# Altium PCB Bms_Master_RevA.PcbDoc
Units mm, origin at the board's own origin, x right, y up, seen from the top; angles counter-clockwise.
Board outline 49 x 55 mm, 4 copper layers (Top Layer, GND, PWR+SIG, Bottom Layer), stack 1.569 mm thick; 76 components, 55 nets, 269 pads, 269 vias.
Unrouted connection lines stored in the file: 2.
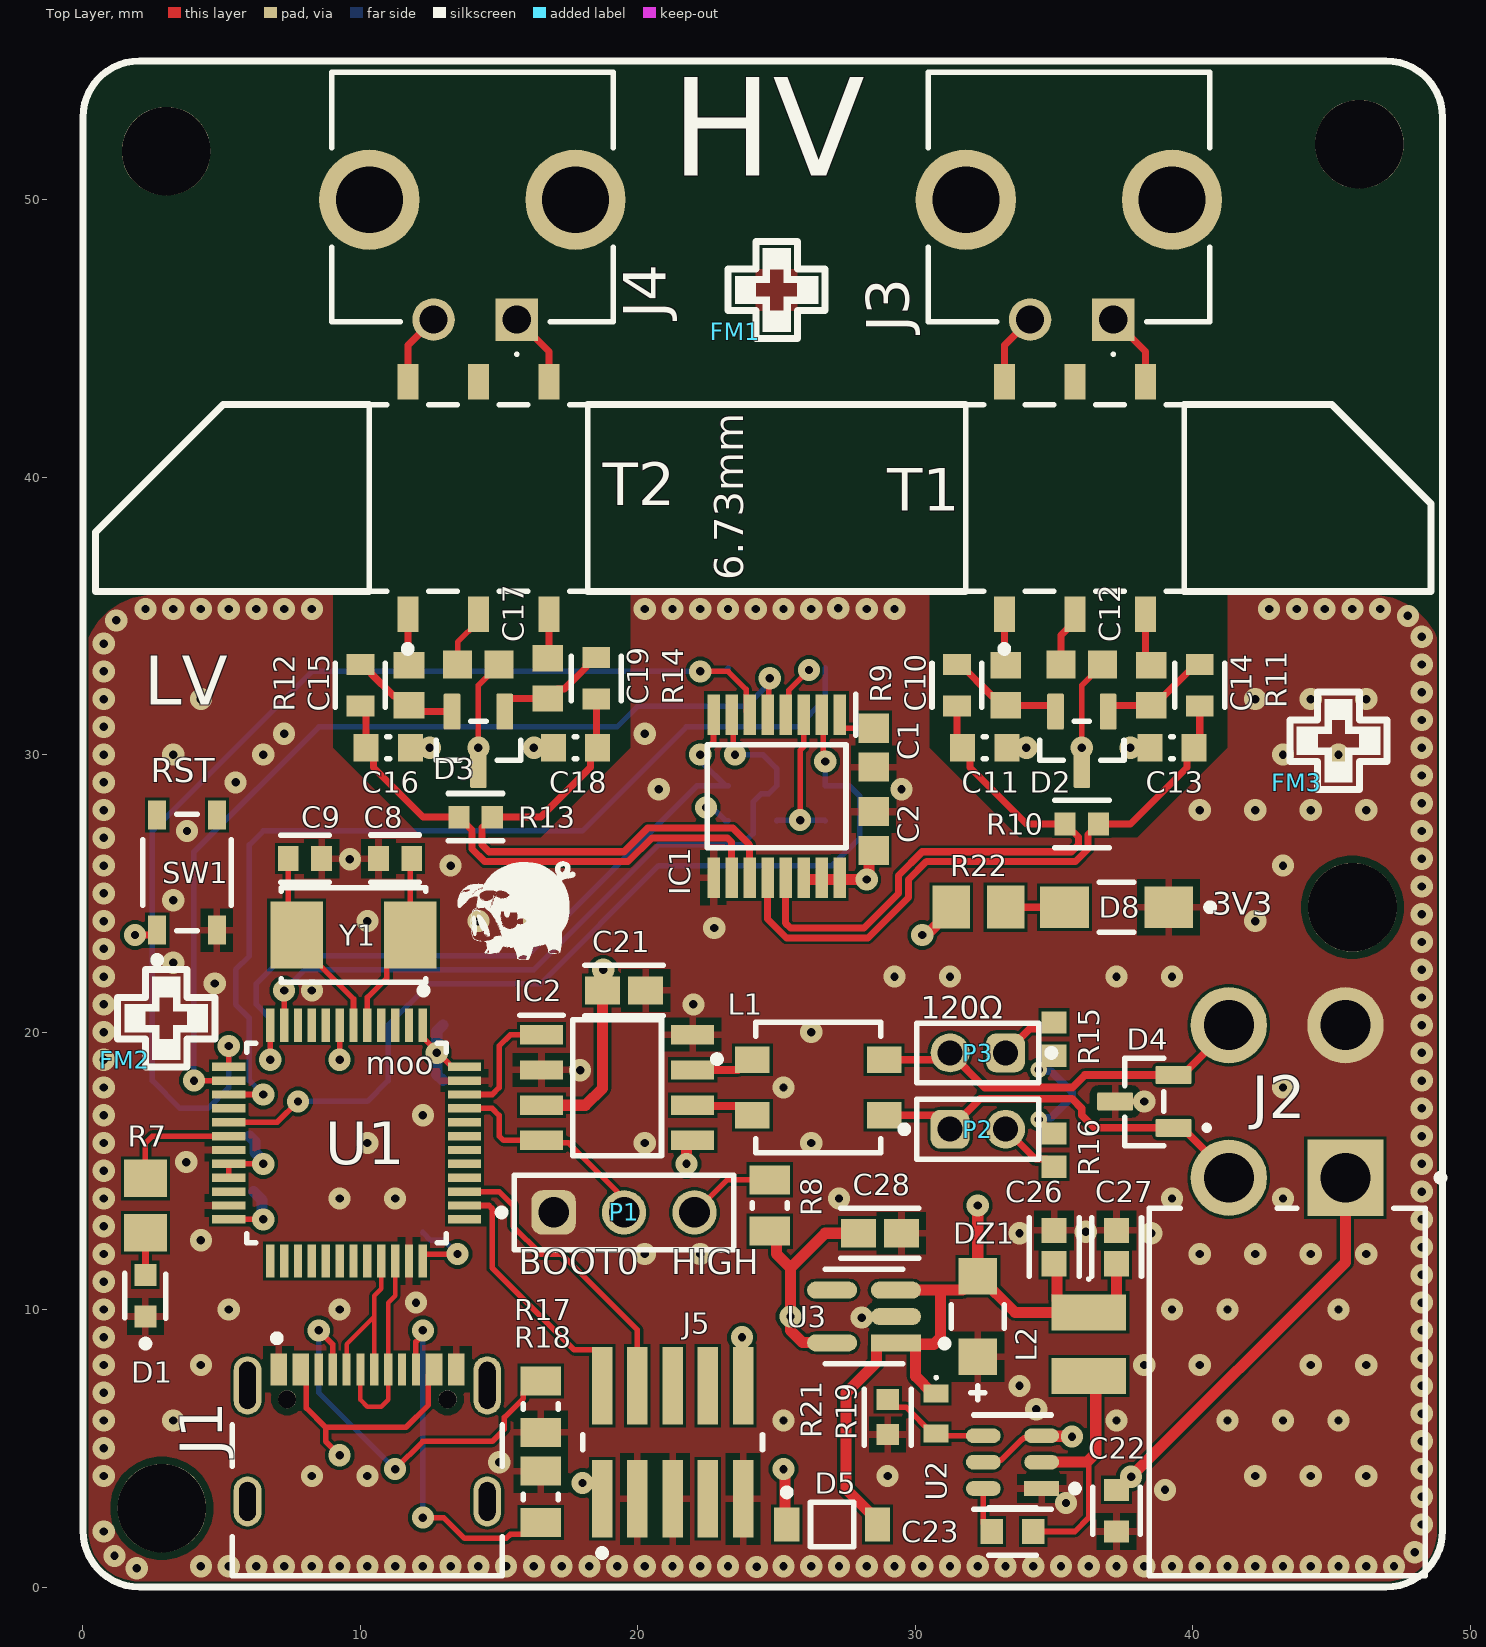
[diagram p0: Top Layer view]
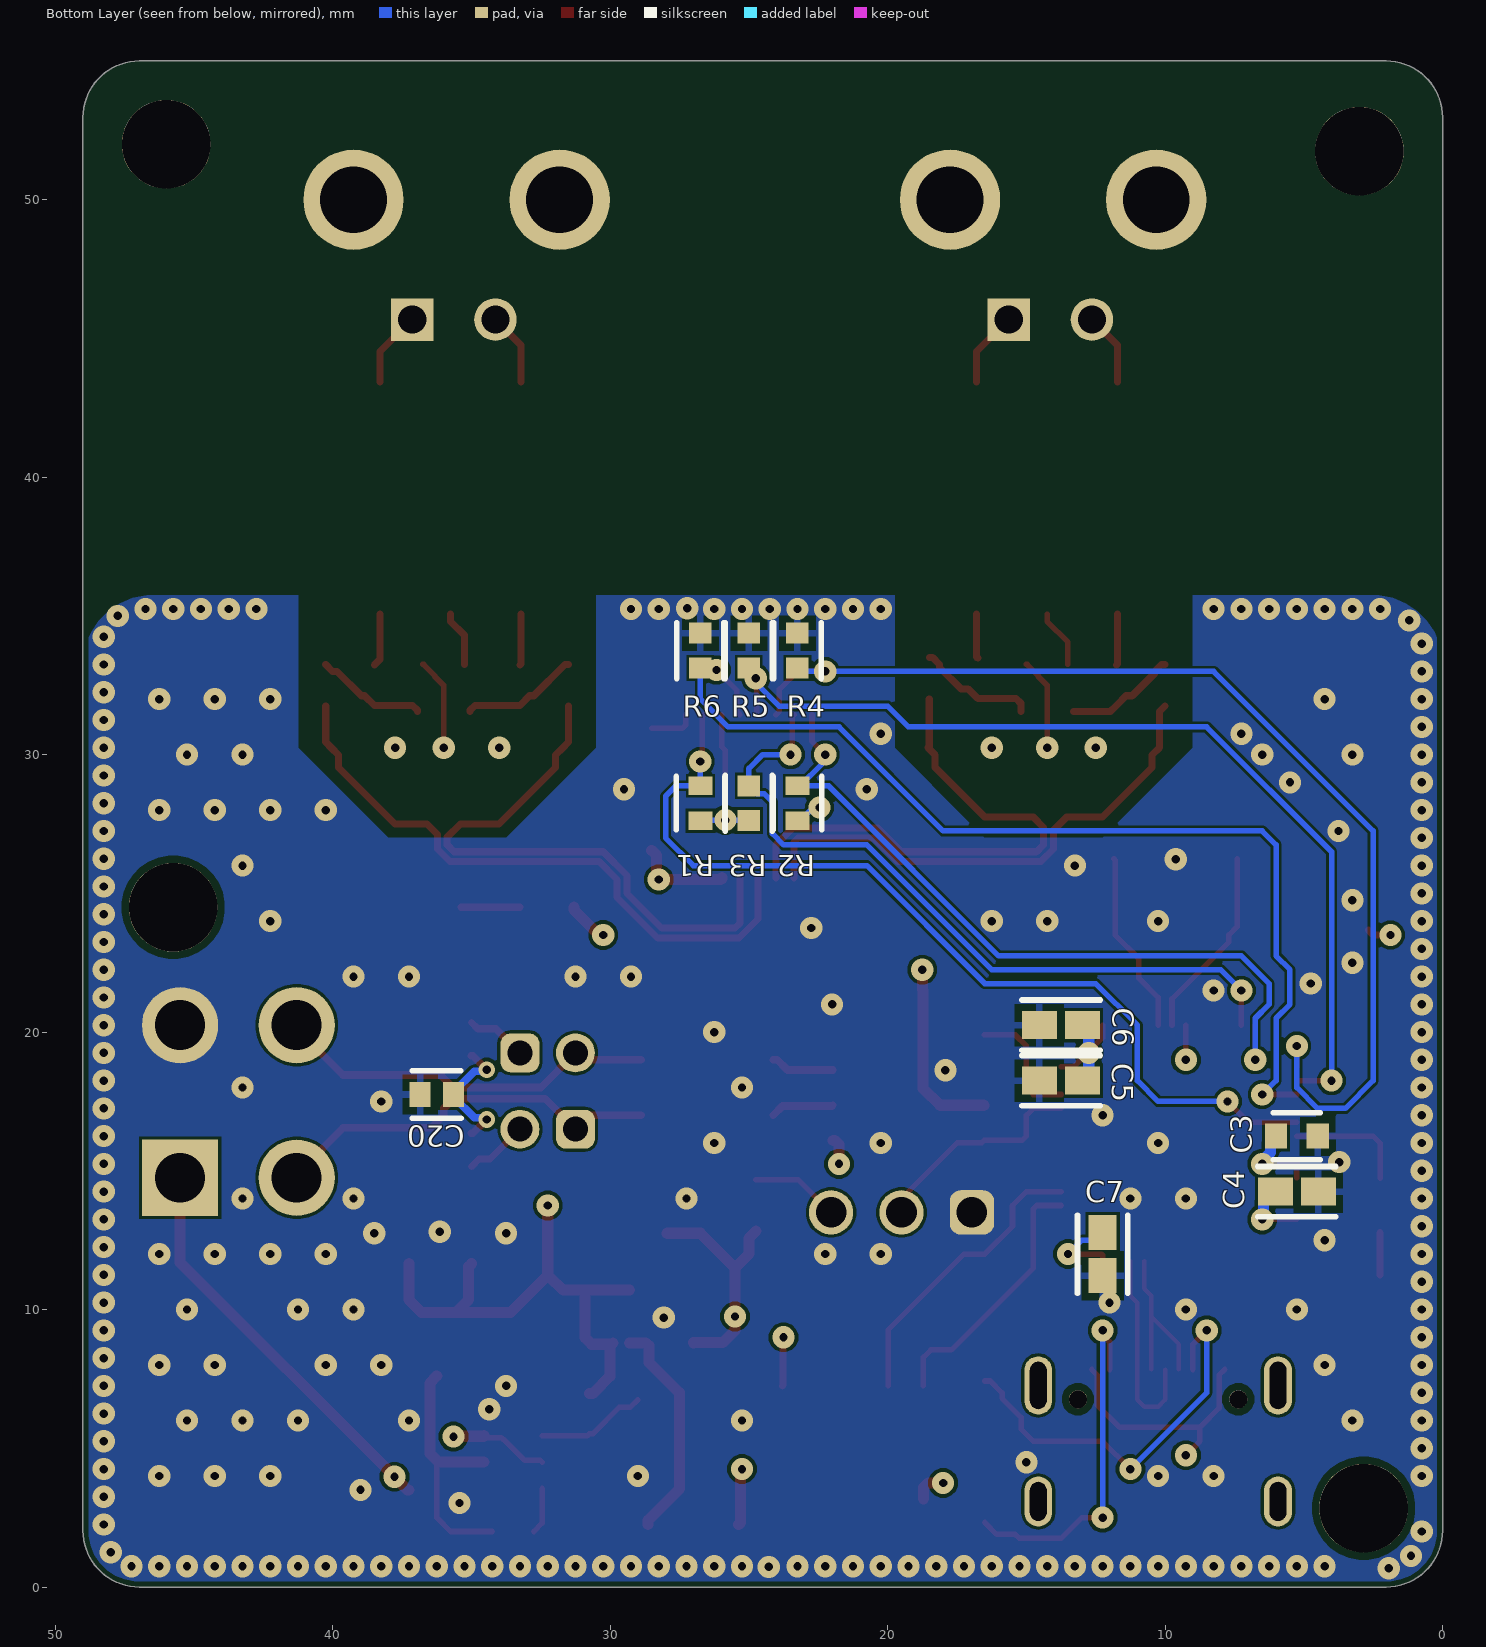
[diagram p1: Bottom Layer view, seen from below]
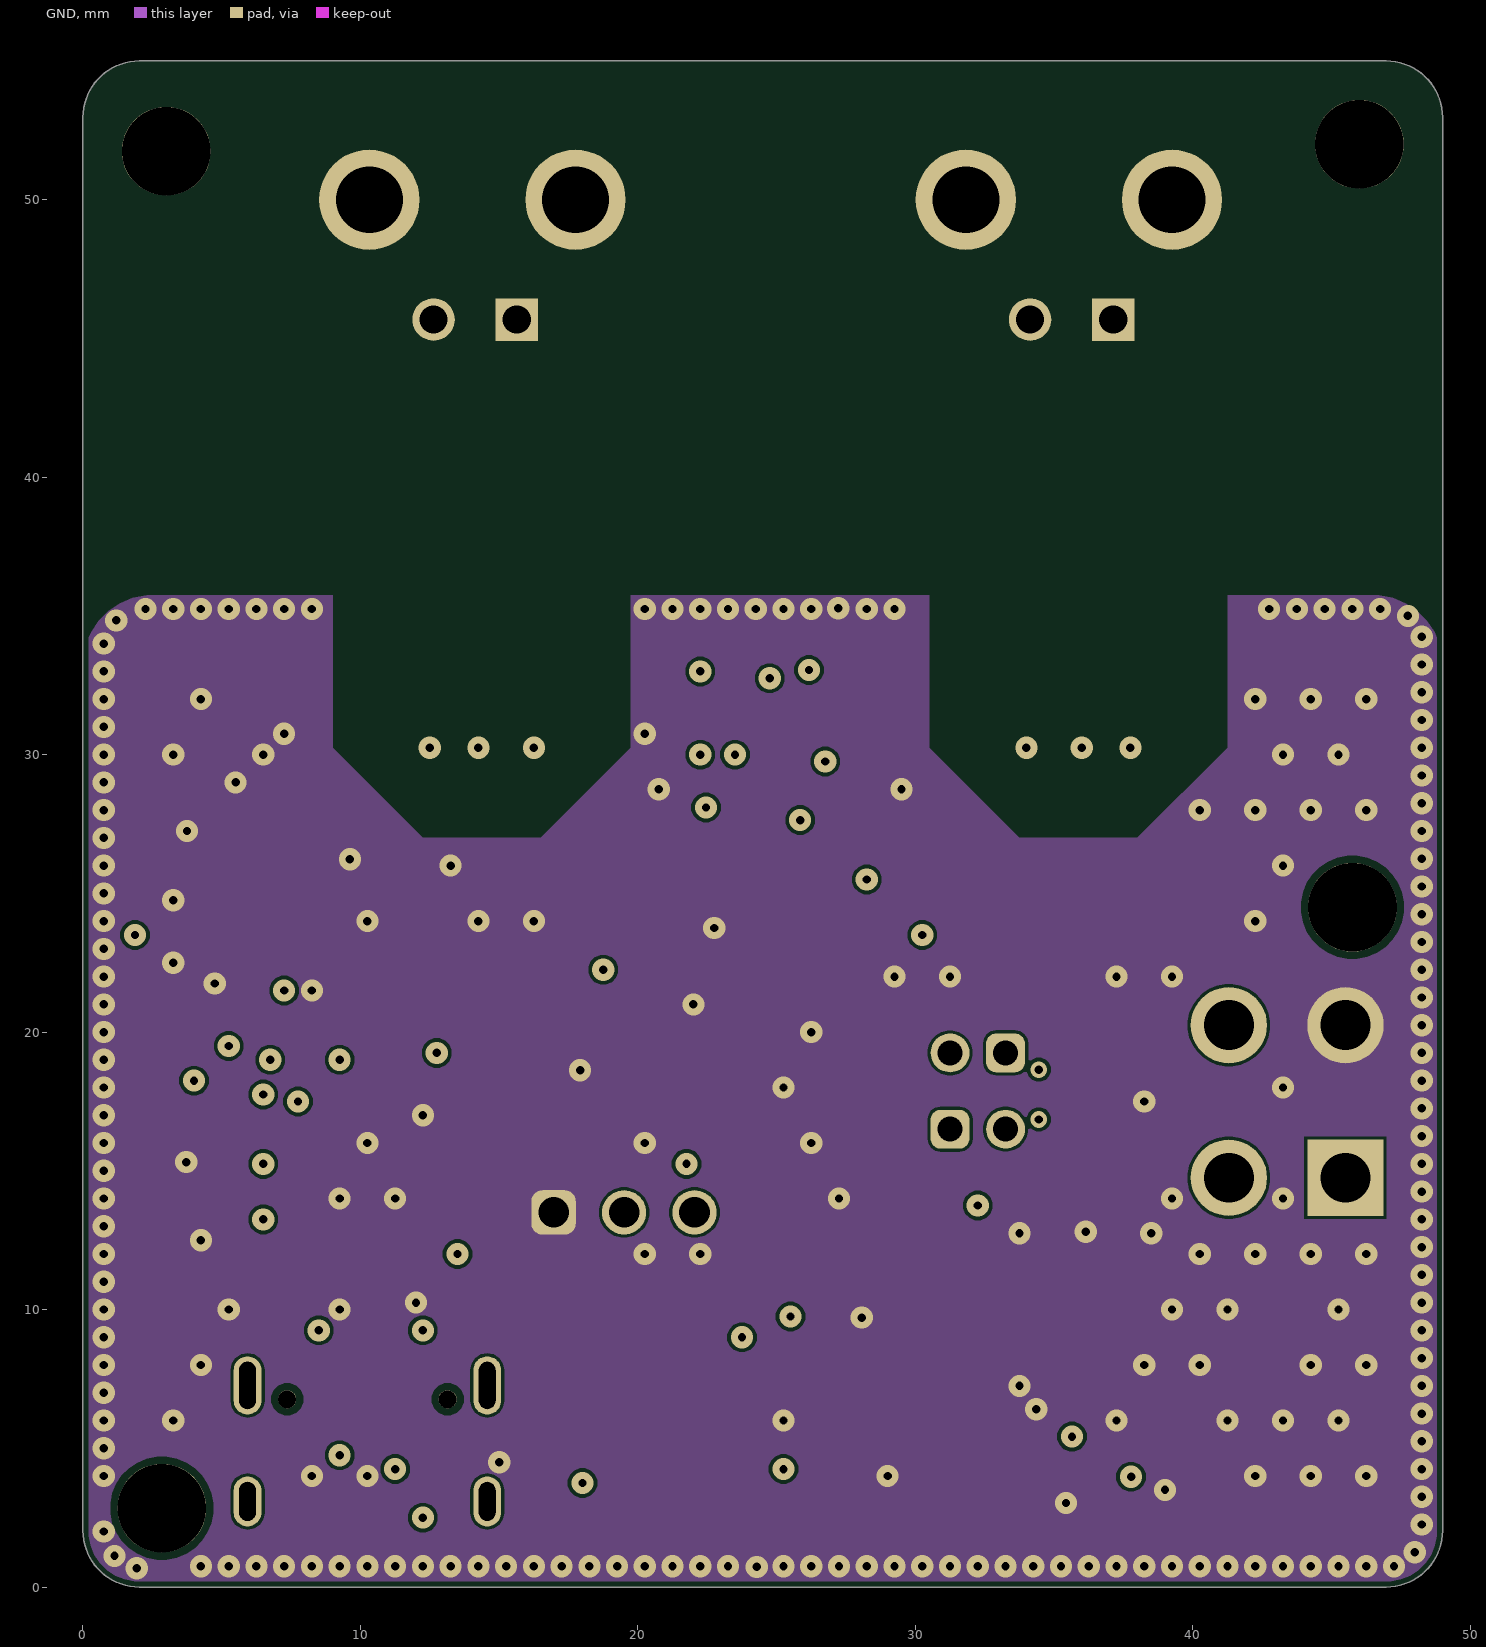
[diagram p2: GND]
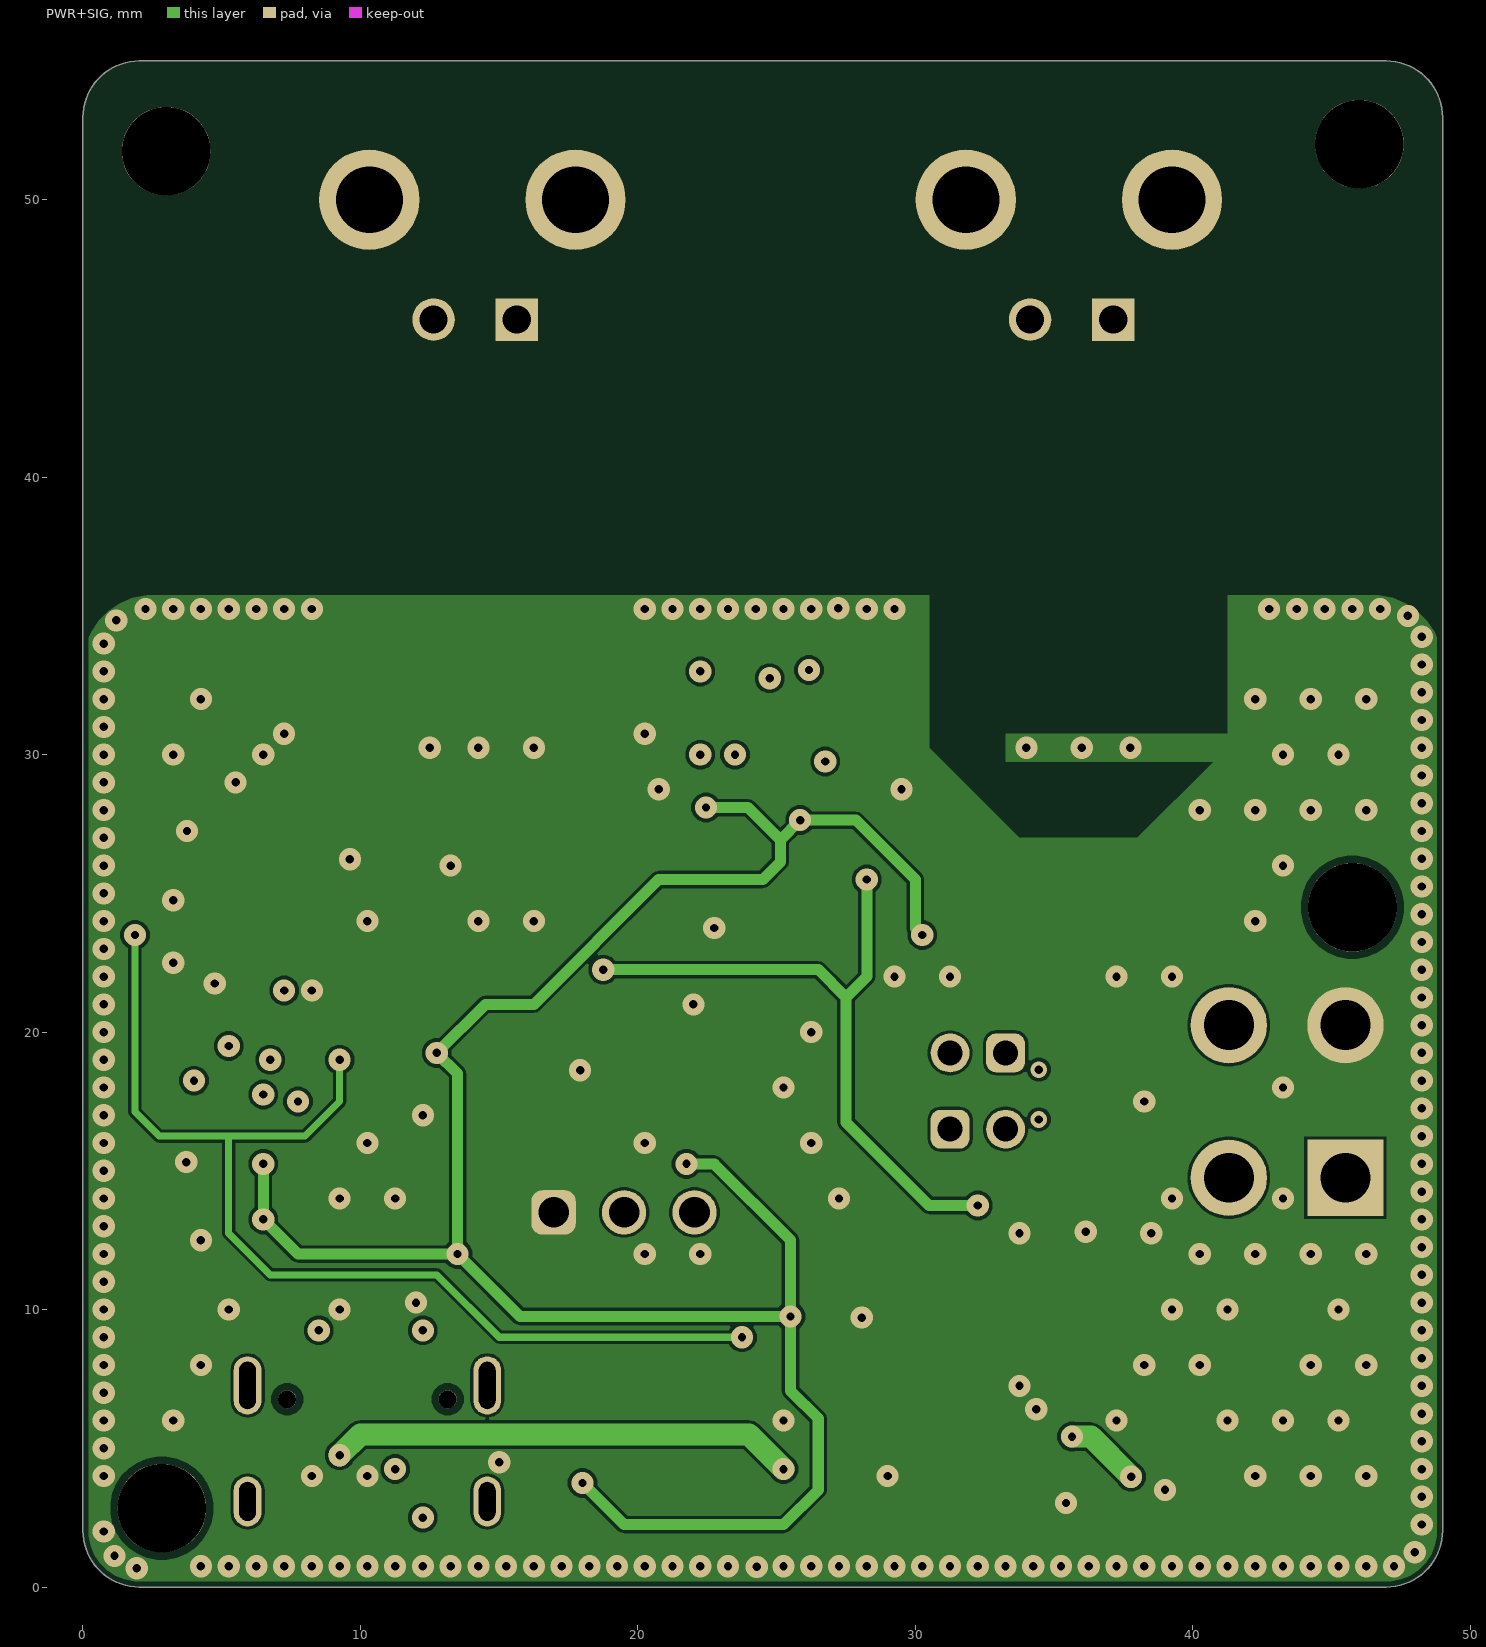
[diagram p3: PWR+SIG]
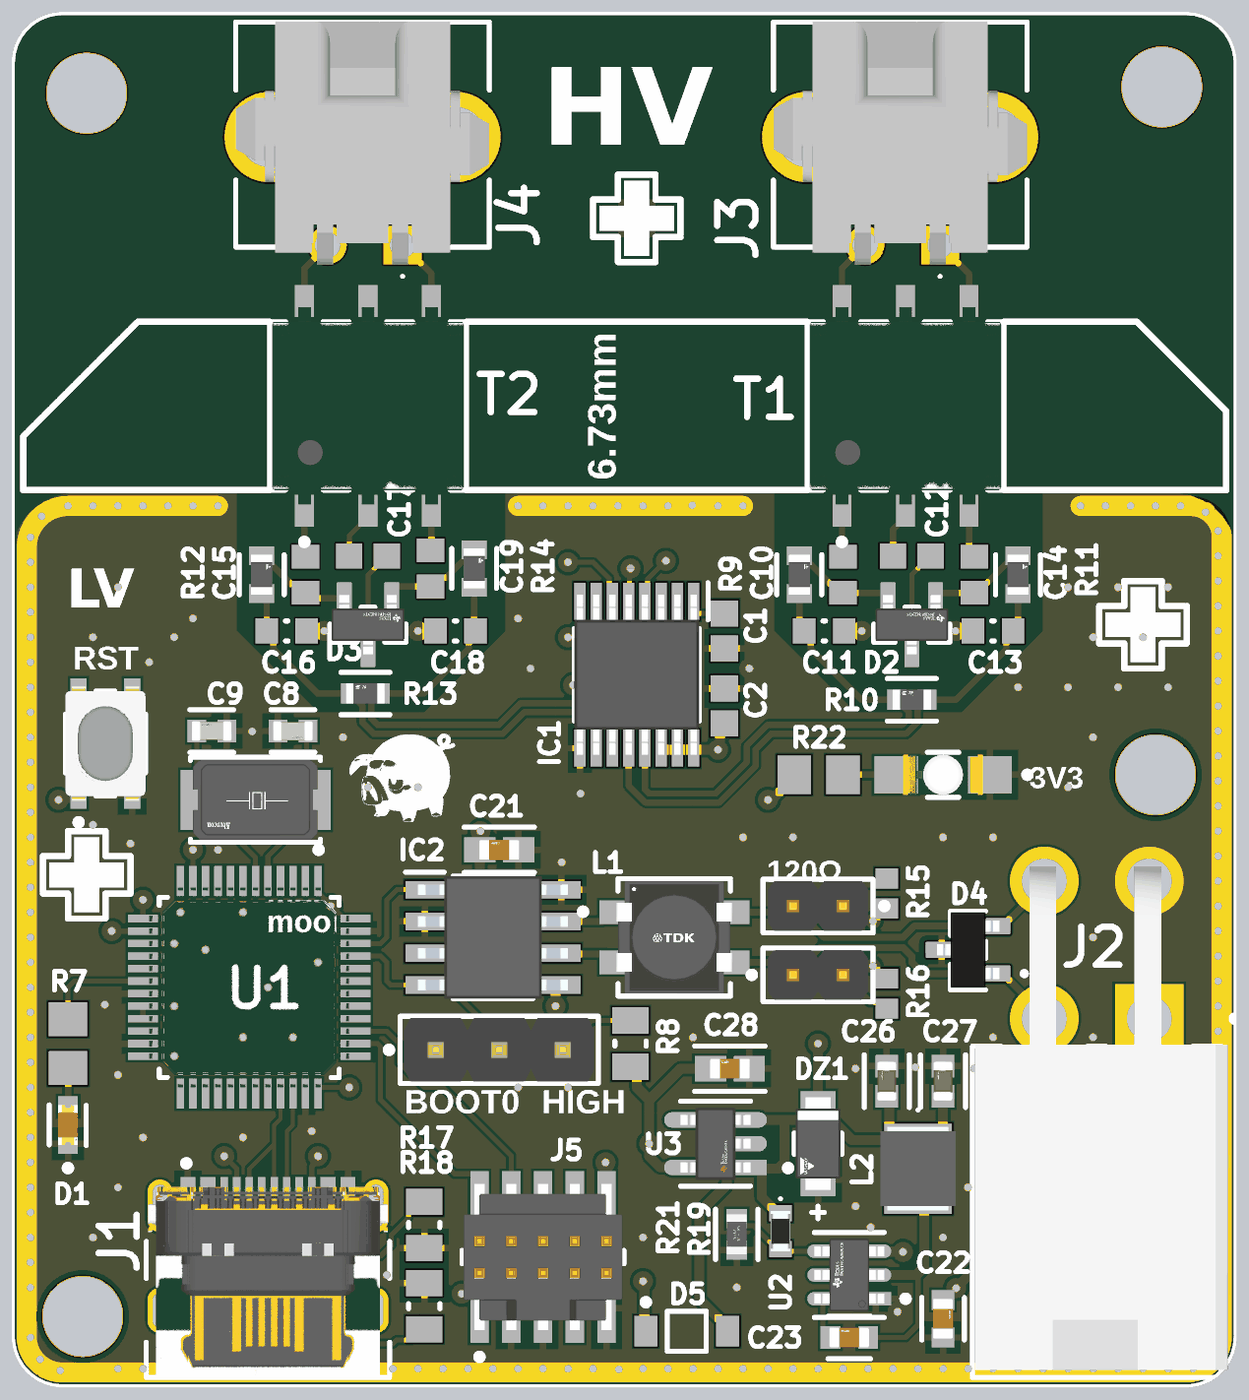
[diagram p4: 3D render of the assembled board from above, using the file's embedded part models]
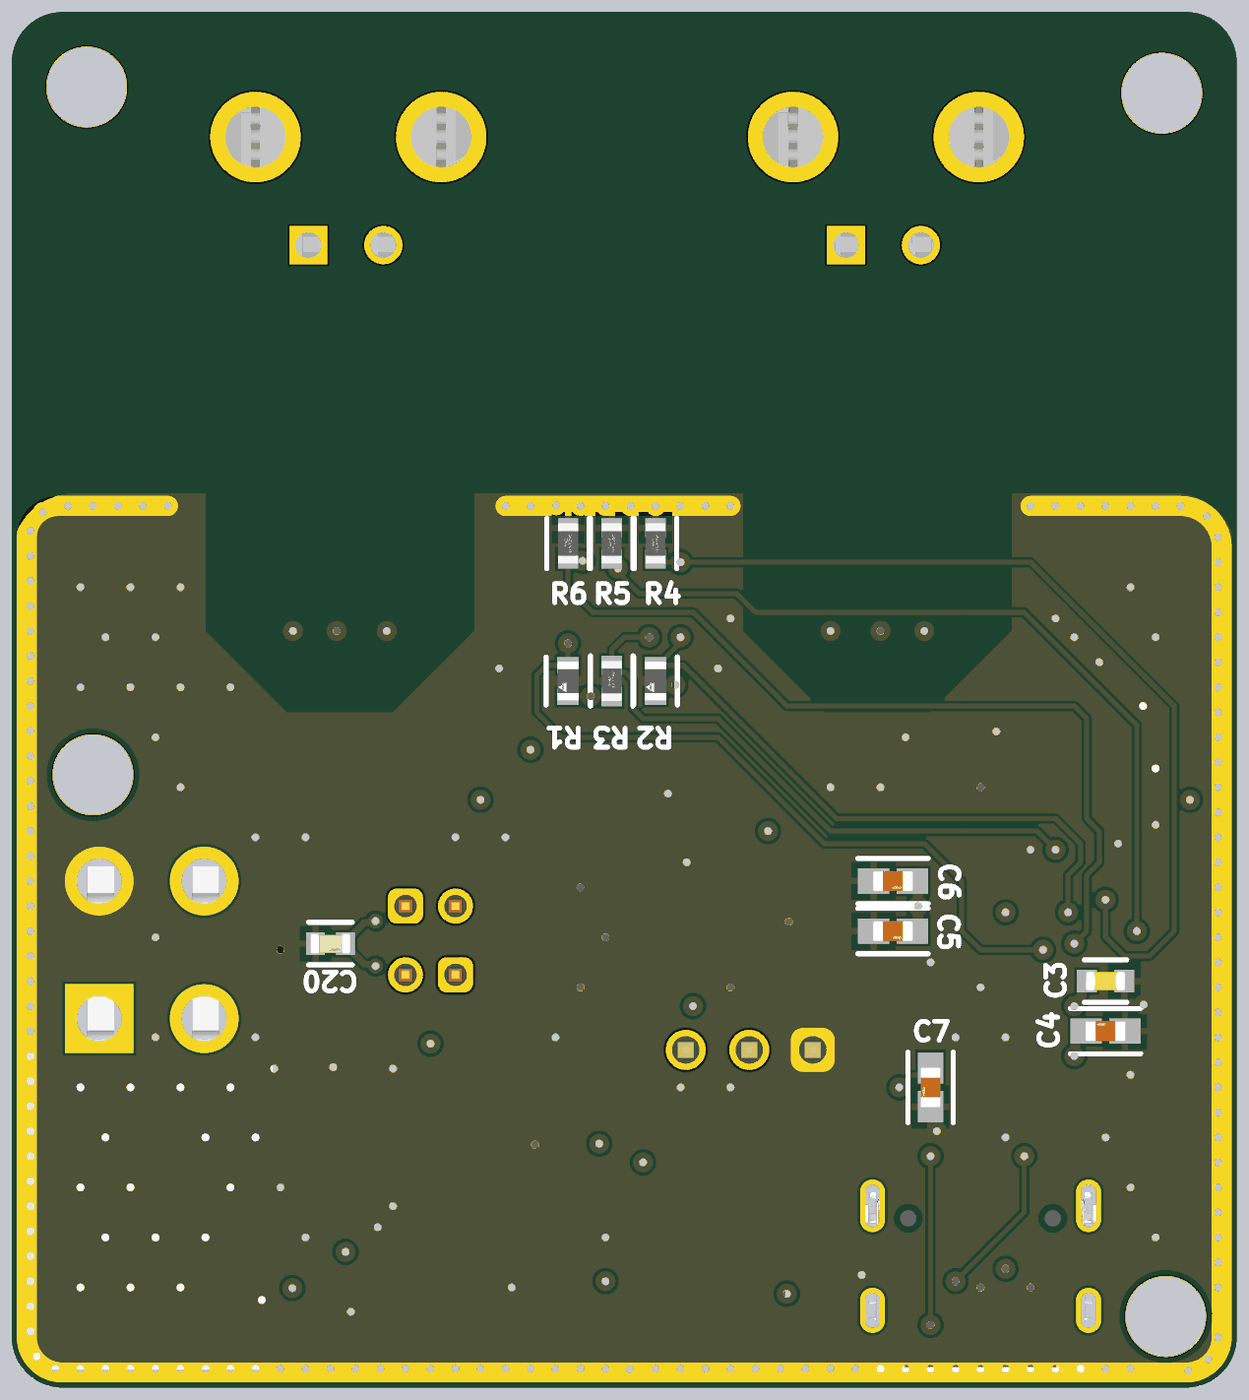
[diagram p5: 3D render of the assembled board from below, using the file's embedded part models]

## Layer stack, top to bottom
Top Solder: solder mask 0.0254, SM-001, Dk 4
Top Layer: signal copper 0.035
Dielectric 1: prepreg 0.0994, PP-017, Dk 4.1
GND: signal copper 0.0175
Dielectric 3: core 1.265, Core-039, Dk 4.6
PWR+SIG: signal copper 0.0175
Dielectric 5: prepreg 0.0994, PP-017, Dk 4.1
Bottom Layer: signal copper 0.035
Bottom Solder: solder mask 0.0254, SM-001, Dk 4

## Board outline
0,2.032 0,52.968 cw(c2.032,52.968) 2.032,55 46.968,55 cw(c46.968,52.968) 49,52.968 49,2.032 cw(c46.968,2.032) 46.968,0 2.032,0 cw(c2.032,2.032)

## Design rules (kind name [scope] priority, off if disabled: settings)
BoardOutlineClearance [All] p1: gap=0.2 ignorepadtopadclearanceinfootprint=FALSE
Clearance [All] p1: gap=0.102 ignorepadtopadclearanceinfootprint=FALSE except(0.127: Arc-Via Track-Via SMDPad-Via THPad-Via Via-Via Via-Fill Via-Poly Via-Region Via-Text; 0.25: Arc-Hole Track-Hole SMDPad-Hole THPad-Hole Via-Hole Fill-Hole Poly-Hole Region-Hole Text-Hole)
ComponentClearance [All] p1: gap=0.102 collisioncheckmode=3 verticalgap=0.102 showdistances=TRUE
DiffPairsRouting [InDifferentialPair('CAN')] p1: maxlimit=0.127 minlimit=0.127 mostfreqgap=0.127 toplayer_minwidth=0.278 toplayer_maxwidth=0.278 toplayer_prefwidth=0.278 bottomlayer_minwidth=0.278 bottomlayer_maxwidth=0.278 bottomlayer_prefwidth=0.278 impedanceprofiledriven=TRUE impedanceprofileid={361548F7-532A-4201-B8A2-D458376F2886} impedanceprofilevalue=60.000000 maxuncoupledlength=12.7
DiffPairsRouting DiffPairsRouting_2 [InDifferentialPair('CAN2')] p2: maxlimit=0.127 minlimit=0.127 mostfreqgap=0.127 toplayer_minwidth=0.278 toplayer_maxwidth=0.278 toplayer_prefwidth=0.278 midlayer1_minwidth=0.381 midlayer1_maxwidth=0.381 midlayer1_prefwidth=0.381 midlayer2_minwidth=0.381 midlayer2_maxwidth=0.381 midlayer2_prefwidth=0.381 bottomlayer_minwidth=0.278 bottomlayer_maxwidth=0.278 bottomlayer_prefwidth=0.278 maxuncoupledlength=12.7
DiffPairsRouting DiffPairsRouting_1 [InDifferentialPair('USB')] p3: maxlimit=0.227 minlimit=0.227 mostfreqgap=0.227 toplayer_minwidth=0.161 toplayer_maxwidth=0.161 toplayer_prefwidth=0.161 bottomlayer_minwidth=0.161 bottomlayer_maxwidth=0.161 bottomlayer_prefwidth=0.161 impedanceprofiledriven=TRUE impedanceprofileid={E95BC529-3A38-425E-81BC-AAF497A8C6FB} impedanceprofilevalue=90.000000 maxuncoupledlength=12.7
Height [All] p1: minheight=0 maxheight=1816.048 prefheight=12.7
HoleSize [All] p1: absolutevalues=TRUE maxlimit=6.3 minlimit=0.2 maxpercent=80.000 minpercent=20.000
HoleToHoleClearance [All] p1: gap=0.25 allowstackedmicrovias=FALSE
MinimumAnnularRing [All] p1: minimumring=0.076
MinimumSolderMaskSliver [All] p1: minsoldermaskwidth=0
PlaneClearance [All] p1: clearance=0.102
PlaneConnect PlaneConnectPowerPads [InPadClass('PowerPads')] p1: planeconnectstyle=Direct reliefexpansion=0.508 reliefentries=4 reliefconductorwidth=0.254 reliefairgap=0.254
PlaneConnect [All] p2: pad.planeconnectstyle=Relief pad.reliefexpansion=0.3 pad.reliefentries=4 pad.reliefconductorwidth=0.102 pad.reliefairgap=0.102 via.planeconnectstyle=Direct via.reliefexpansion=0.3 via.reliefentries=4 via.reliefconductorwidth=0.127 via.reliefairgap=0.127
PolygonConnect PolygonConnectSMD [All] p1: thpad.connectstyle=Direct thpad.reliefconductorwidth=0.254 thpad.reliefentries=4 thpad.polygonreliefangle="90 Angle" thpad.airgapwidth=0.254 smdpad.connectstyle=Relief smdpad.reliefconductorwidth=0.254 smdpad.reliefentries=4 smdpad.polygonreliefangle="90 Angle" smdpad.airgapwidth=0.254 via.connectstyle=Direct via.reliefconductorwidth=0.254 via.reliefentries=4 via.polygonreliefangle="90 Angle" via.airgapwidth=0.254
PolygonConnect [All] p2: connectstyle=Direct reliefconductorwidth=0.102 reliefentries=4 polygonreliefangle="90 Angle" airgapwidth=0.102
RoutingTopology [All] p1: topology=Daisy_Balanced
RoutingVias [All] p1: holewidth=0.3 width=0.8 viastyle="Through Hole" minholewidth=0.2 minwidth=0.45 maxholewidth=6.3 maxwidth=6.55
SilkToSilkClearance [All] p1: silktosilkclearance=0
SilkToSolderMaskClearance [IsPad] p1: minsilkscreentomaskgap=0.102 clearancetoexposedcopper=TRUE
SolderMaskExpansion SolderMaskExpansion_1 [IsVia] p1: expansion=0.075 istentingtop=TRUE
SolderMaskExpansion [All] p2: expansion=0.075 istentingtop=FALSE
SupplyNets "Schematic Supply Nets_6" [InNet('5V')] p1: voltage=0.000
SupplyNets "Schematic Supply Nets_3" [InNet('12V')] p2: voltage=0.000
SupplyNets "Schematic Supply Nets_2" [InNet('GND')] p3: voltage=0.000
SupplyNets "Schematic Supply Nets_1" [InNet('3V3')] p4: voltage=0.000
Width [All] p1: maxlimit=1816.048 minlimit=0.102 preferedwidth=0.2
19 further rules are at their usual default settings.

## Classes and differential pairs
component class Power: C22 C23 C26 C27 C28 D5 D8 DZ1 L2 R19 R21 R22 U2 U3
component class MCU: C3 C4 C5 C6 C7 C8 C9 D1 P1 R7 R8 SW1 U1 Y1
component class Connectors: FM1 FM2 FM3 J1 J2 J3 J4 J5 R17 R18
component class Communication: C10 C11 C12 C13 C14 C15 C16 C17 C18 C19 C20 C21 D2 D3 D4 IC2 L1 P2 P3 R9 R10 R11 R12 R13 R14 R15 R16 T1 T2
component class "BQ Chip": C1 C2 IC1 R1 R2 R3 R4 R5 R6
differential pair USB: +USB_P -USB_N
differential pair COML: +COML_P -COML_N
differential pair COML_1: +COML_1_P -COML_1_N
differential pair COML_0: +COML_0_P -COML_0_N
differential pair COMH: +COMH_P -COMH_N
differential pair COMH_1: +COMH_1_P -COMH_1_N
differential pair COMH_0: +COMH_0_P -COMH_0_N
differential pair CAN: +CAN_P -CAN_N

## Components (designator, comment, footprint, x,y, rotation, side; value= is the part's Value field where it differs from the comment)
C1 "VJ0603Y224KXXCW1BC" CAPC1608X95X40ML15T15 28.5,30.25 r270 top
C2 "VJ0603Y224KXXCW1BC" CAPC1608X95X40ML15T15 28.5,27.25 r270 top
C3 "CC0603KRX5R5BB475" FP-CC0603-DA-MFG 5.25,16.25 r180 bottom value="4.7 uF"
C4 "CC0603JRX7R9BB104" FP-CC0603-DA-IPC_A 5.25,14.25 r180 bottom
C5 "CC0603JRX7R9BB104" FP-CC0603-DA-IPC_A 13.75,18.25 r0 bottom
C6 "CC0603JRX7R9BB104" FP-CC0603-DA-IPC_A 13.75,20.25 r0 bottom
C7 "CC0603JRX7R9BB104" FP-CC0603-DA-IPC_A 12.25,12 r90 bottom
C8 "C0603C270J5GACTU" FP-C0603C-CF-MFG 11.25,26.25 r180 top value="27 pF"
C9 "C0603C270J5GACTU" FP-C0603C-CF-MFG 8,26.25 r0 top value="27 pF"
C10 "VJ0603Y222JXBAC" CAPC1608X92X38ML15T08 33.25,32.5 r270 top
C11 "CAP 220pF 100V 0603(1608)" CAPC0603(1608)100_N 32.5,30.25 r0 top value=220pF
C12 "06031A101J4T2A" CAPC1608X90X35NL15T15 36,33.25 r180 top
C13 "CAP 220pF 100V 0603(1608)" CAPC0603(1608)100_N 39.25,30.25 r0 top value=220pF
C14 "VJ0603Y222JXBAC" CAPC1608X92X38ML15T08 38.5,32.5 r270 top
C15 "VJ0603Y222JXBAC" CAPC1608X92X38ML15T08 11.75,32.5 r270 top
C16 "CAP 220pF 100V 0603(1608)" CAPC0603(1608)100_N 11,30.25 r0 top value=220pF
C17 "06031A101J4T2A" CAPC1608X90X35NL15T15 14.25,33.25 r180 top
C18 "CAP 220pF 100V 0603(1608)" CAPC0603(1608)100_N 17.75,30.25 r0 top value=220pF
C19 "VJ0603Y222JXBAC" CAPC1608X92X38ML15T08 16.75,32.75 r270 top
C20 "C0603C472J5RACTU" FP-C0603C-CF-MFG 36.25,17.75 r0 bottom value=4.7uF
C21 "CC0603JRX7R9BB104" FP-CC0603-DA-IPC_A 19.5,21.5 r0 top
C22 "CC0603JRX7R9BB104" FP-CC0603-DA-MFG 37.25,2.75 r270 top
C23 "CC0603JRX7R9BB104" FP-CC0603-DA-MFG 33.5,2 r0 top
C26 "GRM188R61A226ME15D" FP-GRM188-0_2-IPC_C 35,12.25 r90 top
C27 "GRM188R61A226ME15D" FP-GRM188-0_2-IPC_C 37.25,12.25 r90 top
C28 "CC0603JRX7R9BB104" FP-CC0603-DA-IPC_A 28.723,12.75 r0 top
D1 "SML-LX0603IW-TR" FP-SML-LX0603IW-TR-MFG 2.25,10.5 r90 top
D2 "ESD562DBZR" FP-DBZ0003A-MFG 36,30.5 r270 top
D3 "ESD562DBZR" FP-DBZ0003A-MFG 14.25,30.5 r270 top
D4 "DF3D18FU,LF" SOT23-3 38.25,17.5 r180 top
D5 "MBR130T1G" ONSC-SOD-123-2-425-04_V 27,2.25 r0 top
D8 "KPT-3216ID" FP-APTD3216CGCK-MFG 37.25,24.5 r180 top
DZ1 "VTVS5V0ASMF-M3-08" FP-S8-V-3915_01-001-MFG 32.25,9.75 r90 top
FM1 "Fiducial Marker" "Fiducial Marker-Footprint-1" 23.5,45.25 r0 top
FM2 "Fiducial Marker" "Fiducial Marker-Footprint-1" 1.5,19 r0 top
FM3 "Fiducial Marker" "Fiducial Marker-Footprint-1" 43.75,29 r0 top
IC1 "BQ79600PWRQ1" SOP65P640X120-16N 25,28.5 r270 top
IC2 "TJA1441AT_0Z" SOIC127P600X175-8N 19.25,18 r0 top
J1 "USB4105-GF-A" FP-USB4105-GF-A-MFG 10.25,4.25 r0 top
J2 "1586041-4" FP-1586041-4-MFG 43.4,7.15 r0 top
J3 "2-1445054-2" 214450542 37.135,45.68 r180 top
J4 "2-1445054-2" 214450542 15.635,45.68 r180 top
J5 "FTSH-105-01-L-DV-K-P-TR" FP-FTSH-105-01-L-DV-K-P-T-MFG 21.25,5.215 r0 top
L1 "ACM4520-901-2P-T000" FP-ACM4520-MFG 26.5,18 r0 top
L2 "LCXHF3030QKT4R7MNR" LCXHF3030QKT4R7MNR 36.25,8.75 r270 top
P1 "61300311121" 61300311121 19.5,13.5 r0 top
P2 "62000211121" 62000211121 32.25,16.5 r0 top
P3 "62000211121" 62000211121 32.25,19.25 r180 top
R1 "MCT0603MC1003FP500" FP-MCT0603-IPC_C 26.75,28.25 r270 bottom
R2 "MCT0603MC1003FP500" FP-MCT0603-IPC_C 23.25,28.25 r270 bottom
R3 "CRGP0603F10K" FP-CRGP0603-IPC_C 25,28.25 r90 bottom value=10KΩ
R4 "CRGP0603F10K" FP-CRGP0603-IPC_C 23.25,33.75 r90 bottom value=10KΩ
R5 "CRGP0603F10K" FP-CRGP0603-IPC_C 25,33.75 r90 bottom value=10KΩ
R6 "CRGP0603F10K" FP-CRGP0603-IPC_C 26.75,33.75 r90 bottom value=10KΩ
R7 "ERJ-6ENF1001V" RESC2013X70X40ML20T20 2.25,13.75 r270 top
R8 "RK73H2ATTD5101F" RESC2013X60X30NL20T20 24.75,13.75 r270 top
R9 "CRCW060349R9FKECHP" FP-CRCW0603-HPe3-MFG 31.5,32.5 r90 top
R10 "CPF0603F1K0C1" FP-CPF0603-IPC_C 36,27.5 r0 top value=1.0KΩ
R11 "CRCW060349R9FKECHP" FP-CRCW0603-HPe3-MFG 40.25,32.5 r90 top
R12 "CRCW060349R9FKECHP" FP-CRCW0603-HPe3-MFG 10,32.5 r90 top
R13 "CPF0603F1K0C1" FP-CPF0603-IPC_C 14.148,27.75 r0 top value=1.0KΩ
R14 "CRCW060349R9FKECHP" FP-CRCW0603-HPe3-MFG 18.5,32.75 r90 top
R15 "ERA3AEB620V" RESC1608X55X30LL20T20 35,19.75 r90 top
R16 "ERA3AEB620V" RESC1608X55X30LL20T20 35,15.75 r90 top
R17 "RK73H2ATTD5101F" RESC2013X60X30NL20T20 16.5,6.5 r90 top